# Altium PCB EDA-03518-V3-0_pcb.pcbdoc (part 6 of 14) (continued)
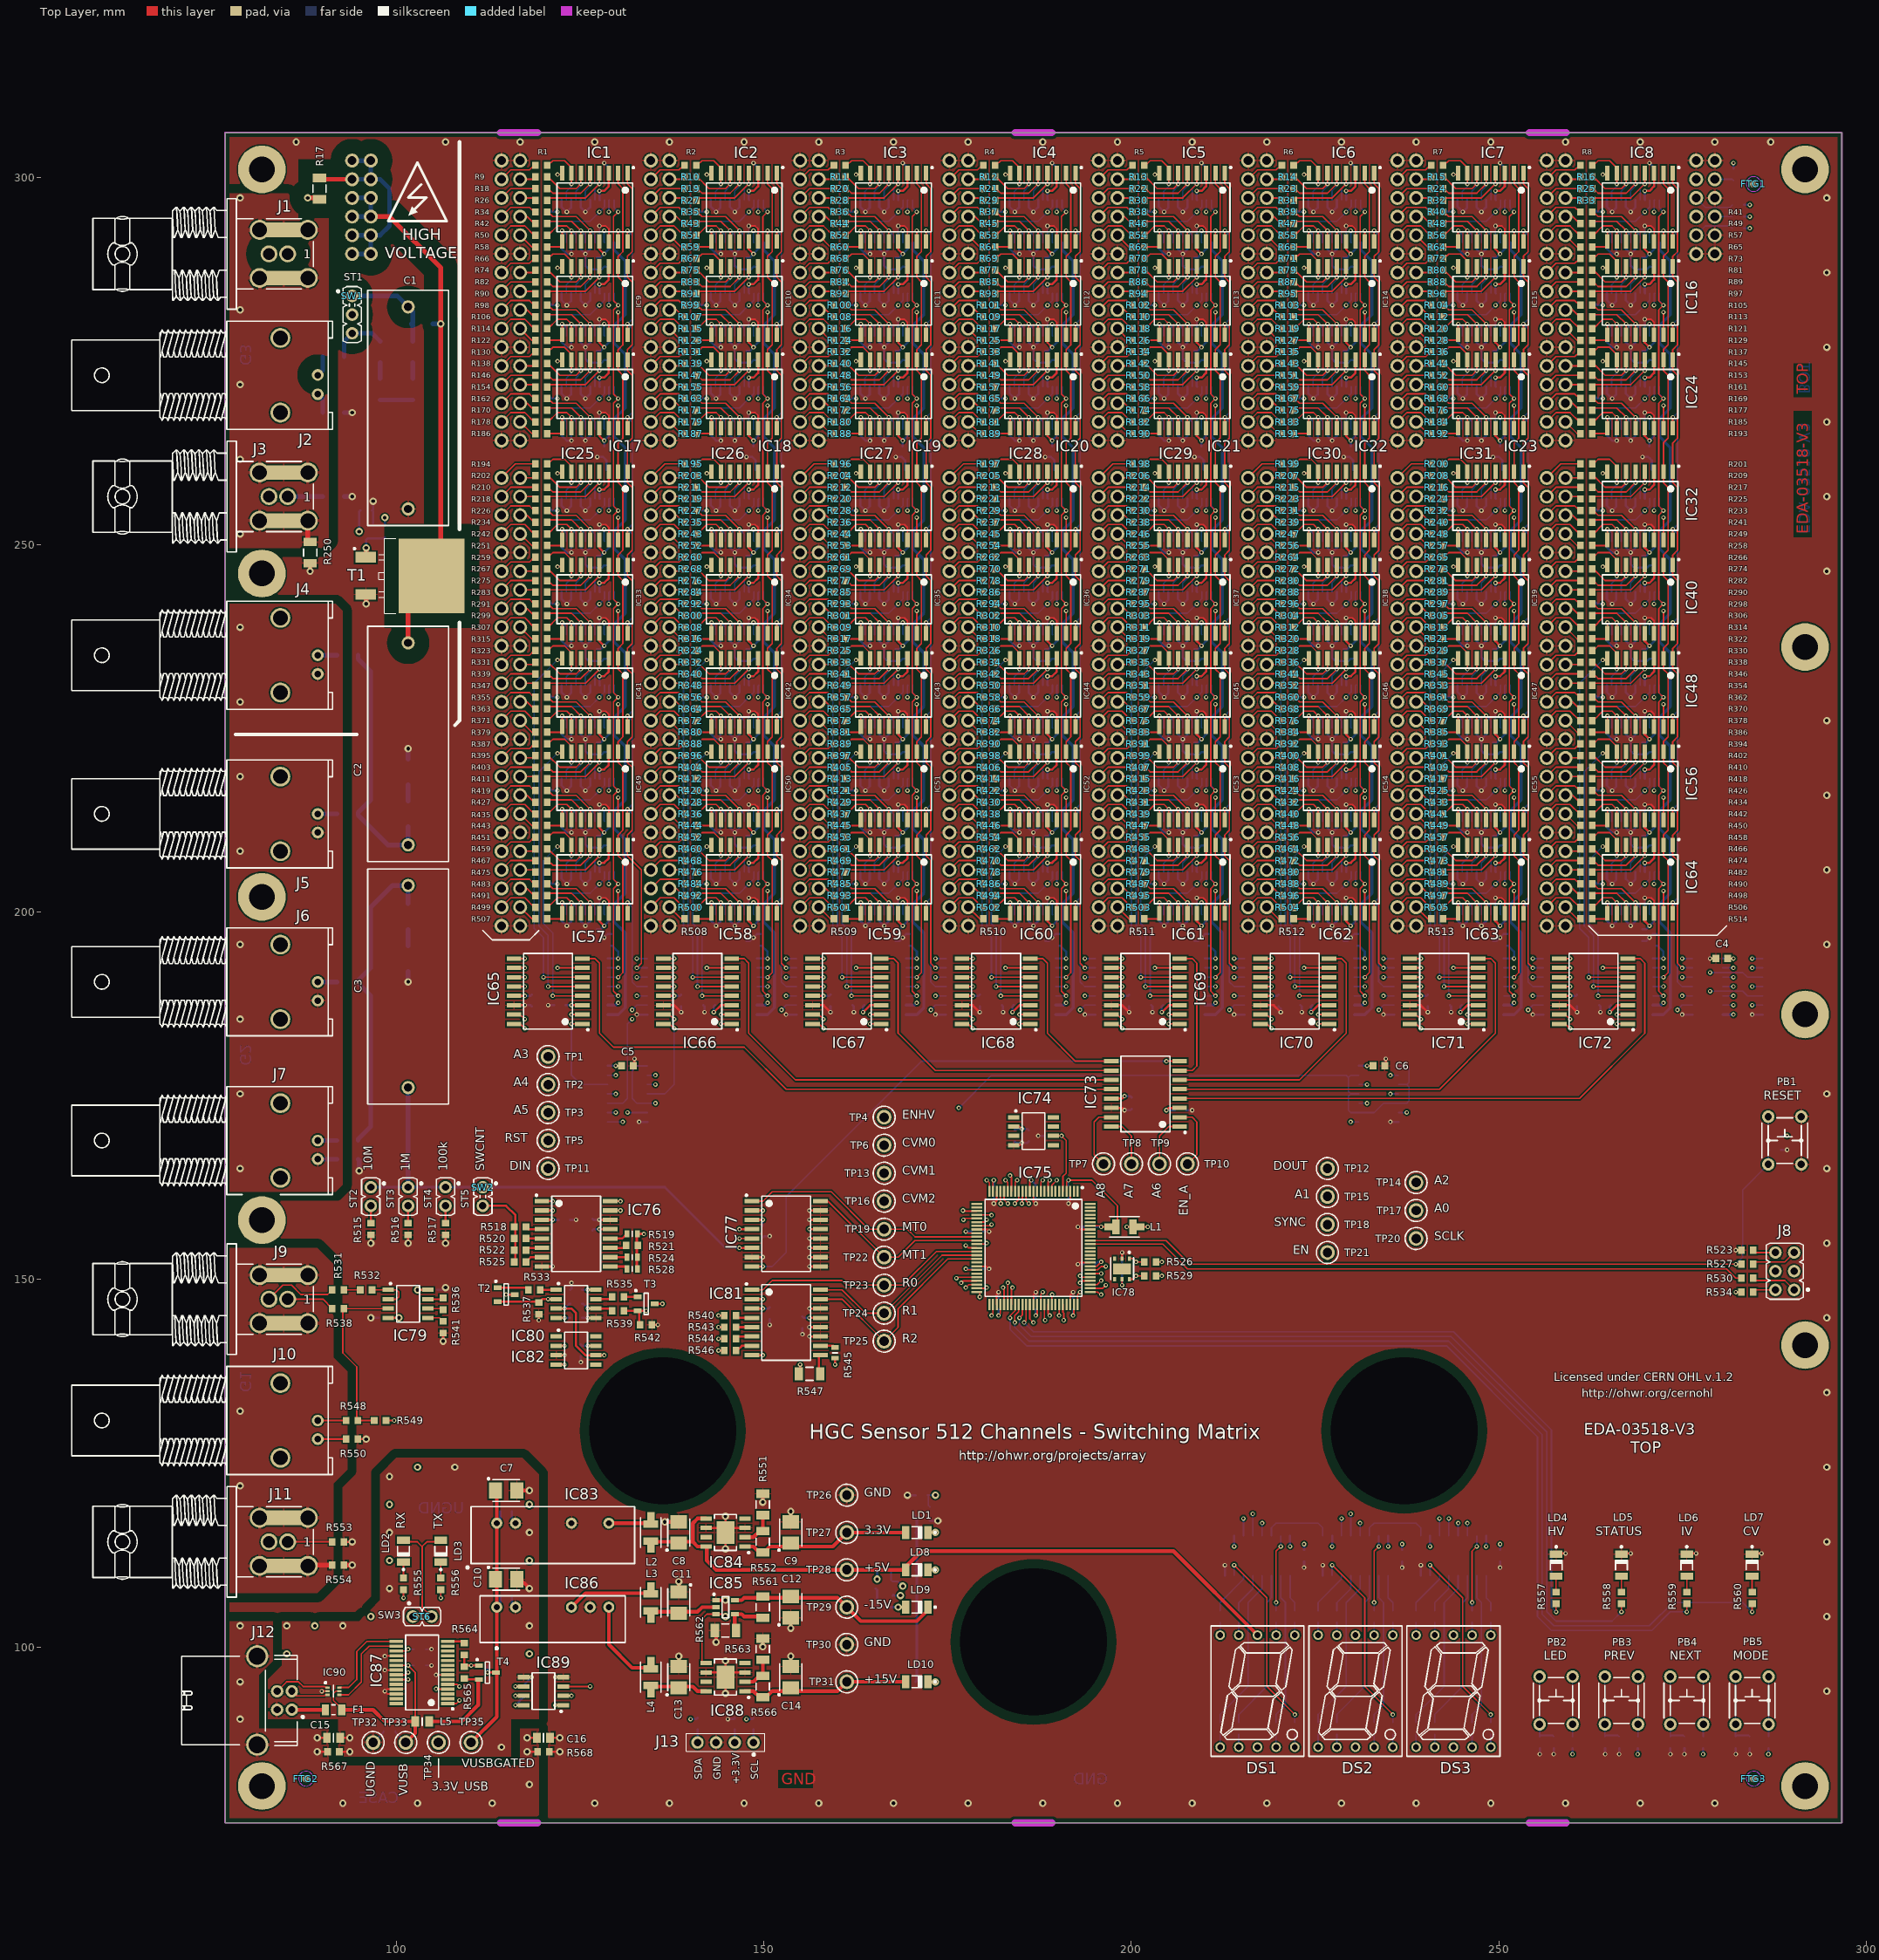
[diagram p0: Top Layer view]
## Nets (pads, with @x,y where several pads share a name; then routed paths per layer and width w, separated by ;. In a path a pad name is that pad's centre, name@x,y a point inside that pad or via, vN(x,y) a via of type N, cw(c..) or ccw(c..) an arc to the next point about the centre after c; other vN are vias at no path point) (continued)
C57_4: J19.10 R133.1 | length 5.4
  Top Layer w0.203: J19.10@175.26,274.32 176.53,275.59 179.07,275.59 179.705,276.225 R133.1@179.857,276.225
C57_5: J18.10 R134.1 | length 5.4
  Top Layer w0.203: J18.10@195.58,274.32 196.85,275.59 199.39,275.59 200.025,276.225 R134.1@200.177,276.225
C57_6: J17.10 R135.1 | length 5.4
  Top Layer w0.203: J17.10@215.9,274.32 217.17,275.59 219.71,275.59 220.345,276.225 R135.1@220.497,276.225
C57_7: J16.10 R136.1 | length 5.4
  Top Layer w0.203: J16.10@236.22,274.32 237.49,275.59 240.03,275.59 240.665,276.225 R136.1@240.817,276.225
C57_8: J15.10 R137.1 | length 5.4
  Top Layer w0.203: J15.10@256.54,274.32 257.81,275.59 260.35,275.59 260.985,276.225 R137.1@261.137,276.225
C60_1: J22.13 R122.1 | length 2.7
  Top Layer w0.203: J22.13@116.84,279.4 118.428,277.812 R122.1@118.897,277.812
C60_2: J21.13 R123.1 | length 2.7
  Top Layer w0.203: J21.13@137.16,279.4 138.748,277.812 R123.1@139.217,277.812
C60_3: J20.13 R124.1 | length 2.7
  Top Layer w0.203: J20.13@157.48,279.4 159.068,277.812 R124.1@159.537,277.812
C60_4: J19.13 R125.1 | length 2.7
  Top Layer w0.203: J19.13@177.8,279.4 179.388,277.812 R125.1@179.857,277.812
C60_5: J18.13 R126.1 | length 2.7
  Top Layer w0.203: J18.13@198.12,279.4 199.708,277.812 R126.1@200.177,277.812
C60_6: J17.13 R127.1 | length 2.7
  Top Layer w0.203: J17.13@218.44,279.4 220.028,277.812 R127.1@220.497,277.812
C60_7: J16.13 R128.1 | length 2.7
  Top Layer w0.203: J16.13@238.76,279.4 240.348,277.812 R128.1@240.817,277.812
C60_8: J15.13 R129.1 | length 2.7
  Top Layer w0.203: J15.13@259.08,279.4 260.668,277.812 R129.1@261.137,277.812
C61_1: J22.14 R114.1 | length 5.6
  Top Layer w0.203: J22.14@114.3,279.4 115.57,280.67 117.475,280.67 118.745,279.4 R114.1@118.897,279.4
C61_2: J21.14 R115.1 | length 5.6
  Top Layer w0.203: J21.14@134.62,279.4 135.89,280.67 137.795,280.67 139.065,279.4 R115.1@139.217,279.4
C61_3: J20.14 R116.1 | length 5.6
  Top Layer w0.203: J20.14@154.94,279.4 156.21,280.67 158.115,280.67 159.385,279.4 R116.1@159.537,279.4
C61_4: J19.14 R117.1 | length 5.6
  Top Layer w0.203: J19.14@175.26,279.4 176.53,280.67 178.435,280.67 179.705,279.4 R117.1@179.857,279.4
C61_5: J18.14 R118.1 | length 5.6
  Top Layer w0.203: J18.14@195.58,279.4 196.85,280.67 198.755,280.67 200.025,279.4 R118.1@200.177,279.4
C61_6: J17.14 R119.1 | length 5.6
  Top Layer w0.203: J17.14@215.9,279.4 217.17,280.67 219.075,280.67 220.345,279.4 R119.1@220.497,279.4
C61_7: J16.14 R120.1 | length 5.6
  Top Layer w0.203: J16.14@236.22,279.4 237.49,280.67 239.395,280.67 240.665,279.4 R120.1@240.817,279.4
C61_8: J15.14 R121.1 | length 5.6
  Top Layer w0.203: J15.14@256.54,279.4 257.81,280.67 259.715,280.67 260.985,279.4 R121.1@261.137,279.4
C62_1: J22.15 R106.1 | length 2.5
  Top Layer w0.203: J22.15@116.84,281.94 117.792,281.94 118.745,280.988 R106.1@118.897,280.988
C62_2: J21.15 R107.1 | length 2.5
  Top Layer w0.203: J21.15@137.16,281.94 138.112,281.94 139.065,280.988 R107.1@139.217,280.988
C62_3: J20.15 R108.1 | length 2.5
  Top Layer w0.203: J20.15@157.48,281.94 158.432,281.94 159.385,280.988 R108.1@159.537,280.988
C62_4: J19.15 R109.1 | length 2.5
  Top Layer w0.203: J19.15@177.8,281.94 178.752,281.94 179.705,280.988 R109.1@179.857,280.988
C62_5: J18.15 R110.1 | length 2.5
  Top Layer w0.203: J18.15@198.12,281.94 199.072,281.94 200.025,280.988 R110.1@200.177,280.988
C62_6: J17.15 R111.1 | length 2.5
  Top Layer w0.203: J17.15@218.44,281.94 219.392,281.94 220.345,280.988 R111.1@220.497,280.988
C62_7: J16.15 R112.1 | length 2.5
  Top Layer w0.203: J16.15@238.76,281.94 239.712,281.94 240.665,280.988 R112.1@240.817,280.988
C62_8: J15.15 R113.1 | length 2.5
  Top Layer w0.203: J15.15@259.08,281.94 260.032,281.94 260.985,280.988 R113.1@261.137,280.988
C63_1: J22.16 R98.1 | length 5.4
  Top Layer w0.203: J22.16@114.3,281.94 115.57,283.21 118.11,283.21 118.745,282.575 R98.1@118.897,282.575
C63_2: J21.16 R99.1 | length 5.4
  Top Layer w0.203: J21.16@134.62,281.94 135.89,283.21 138.43,283.21 139.065,282.575 R99.1@139.217,282.575
C63_3: J20.16 R100.1 | length 5.4
  Top Layer w0.203: J20.16@154.94,281.94 156.21,283.21 158.75,283.21 159.385,282.575 R100.1@159.537,282.575
C63_4: J19.16 R101.1 | length 5.4
  Top Layer w0.203: J19.16@175.26,281.94 176.53,283.21 179.07,283.21 179.705,282.575 R101.1@179.857,282.575
C63_5: J18.16 R102.1 | length 5.4
  Top Layer w0.203: J18.16@195.58,281.94 196.85,283.21 199.39,283.21 200.025,282.575 R102.1@200.177,282.575
C63_6: J17.16 R103.1 | length 5.4
  Top Layer w0.203: J17.16@215.9,281.94 217.17,283.21 219.71,283.21 220.345,282.575 R103.1@220.497,282.575
C63_7: J16.16 R104.1 | length 5.4
  Top Layer w0.203: J16.16@236.22,281.94 237.49,283.21 240.03,283.21 240.665,282.575 R104.1@240.817,282.575
C63_8: J15.16 R105.1 | length 5.4
  Top Layer w0.203: J15.16@256.54,281.94 257.81,283.21 260.35,283.21 260.985,282.575 R105.1@261.137,282.575
C64_1: J22.17 R90.1 | length 2.2
  Top Layer w0.203: J22.17@116.84,284.48 118.58,284.48 R90.1@118.897,284.162
C64_2: J21.17 R91.1 | length 2.2
  Top Layer w0.203: J21.17@137.16,284.48 138.9,284.48 R91.1@139.217,284.162
C64_3: J20.17 R92.1 | length 2.2
  Top Layer w0.203: J20.17@157.48,284.48 159.22,284.48 R92.1@159.537,284.162
C64_4: J19.17 R93.1 | length 2.2
  Top Layer w0.203: J19.17@177.8,284.48 179.54,284.48 R93.1@179.857,284.162
C64_5: J18.17 R94.1 | length 2.2
  Top Layer w0.203: J18.17@198.12,284.48 199.86,284.48 R94.1@200.177,284.162
C64_6: J17.17 R95.1 | length 2.2
  Top Layer w0.203: J17.17@218.44,284.48 220.18,284.48 R95.1@220.497,284.162
C64_7: J16.17 R96.1 | length 2.2
  Top Layer w0.203: J16.17@238.76,284.48 240.5,284.48 R96.1@240.817,284.162
C64_8: J15.17 R97.1 | length 2.2
  Top Layer w0.203: J15.17@259.08,284.48 260.82,284.48 R97.1@261.137,284.162
C65_1: J22.18 R82.1 | length 5.1
  Top Layer w0.203: J22.18@114.3,284.48 115.57,285.75 R82.1@118.897,285.75
C65_2: J21.18 R83.1 | length 5.1
  Top Layer w0.203: J21.18@134.62,284.48 135.89,285.75 R83.1@139.217,285.75
C65_3: J20.18 R84.1 | length 5.1
  Top Layer w0.203: J20.18@154.94,284.48 156.21,285.75 R84.1@159.537,285.75
C65_4: J19.18 R85.1 | length 5.1
  Top Layer w0.203: J19.18@175.26,284.48 176.53,285.75 R85.1@179.857,285.75
C65_5: J18.18 R86.1 | length 5.1
  Top Layer w0.203: J18.18@195.58,284.48 196.85,285.75 R86.1@200.177,285.75
C65_6: J17.18 R87.1 | length 5.1
  Top Layer w0.203: J17.18@215.9,284.48 217.17,285.75 R87.1@220.497,285.75
C65_7: J16.18 R88.1 | length 5.1
  Top Layer w0.203: J16.18@236.22,284.48 237.49,285.75 R88.1@240.817,285.75
C65_8: J15.18 R89.1 | length 5.1
  Top Layer w0.203: J15.18@256.54,284.48 257.81,285.75 R89.1@261.137,285.75
C66_1: J22.19 R74.1 | length 2.2
  Top Layer w0.203: J22.19@116.84,287.02 118.58,287.02 R74.1@118.897,287.337
C66_2: J21.19 R75.1 | length 2.2
  Top Layer w0.203: J21.19@137.16,287.02 138.9,287.02 R75.1@139.217,287.337
C66_3: J20.19 R76.1 | length 2.2
  Top Layer w0.203: J20.19@157.48,287.02 159.22,287.02 R76.1@159.537,287.337
C66_4: J19.19 R77.1 | length 2.2
  Top Layer w0.203: J19.19@177.8,287.02 179.54,287.02 R77.1@179.857,287.337
C66_5: J18.19 R78.1 | length 2.2
  Top Layer w0.203: J18.19@198.12,287.02 199.86,287.02 R78.1@200.177,287.337
C66_6: J17.19 R79.1 | length 2.2
  Top Layer w0.203: J17.19@218.44,287.02 220.18,287.02 R79.1@220.497,287.337
C66_7: J16.19 R80.1 | length 2.2
  Top Layer w0.203: J16.19@238.76,287.02 240.5,287.02 R80.1@240.817,287.337
C66_8: J15.19 R81.1 | length 2.2
  Top Layer w0.203: J15.19@259.08,287.02 260.82,287.02 R81.1@261.137,287.337
C67_1: J22.20 R66.1 | length 5.4
  Top Layer w0.203: J22.20@114.3,287.02 115.57,288.29 118.11,288.29 118.745,288.925 R66.1@118.897,288.925
C67_2: J21.20 R67.1 | length 5.4
  Top Layer w0.203: J21.20@134.62,287.02 135.89,288.29 138.43,288.29 139.065,288.925 R67.1@139.217,288.925
C67_3: J20.20 R68.1 | length 5.4
  Top Layer w0.203: J20.20@154.94,287.02 156.21,288.29 158.75,288.29 159.385,288.925 R68.1@159.537,288.925
C67_4: J19.20 R69.1 | length 5.4
  Top Layer w0.203: J19.20@175.26,287.02 176.53,288.29 179.07,288.29 179.705,288.925 R69.1@179.857,288.925
C67_5: J18.20 R70.1 | length 5.4
  Top Layer w0.203: J18.20@195.58,287.02 196.85,288.29 199.39,288.29 200.025,288.925 R70.1@200.177,288.925
C67_6: J17.20 R71.1 | length 5.4
  Top Layer w0.203: J17.20@215.9,287.02 217.17,288.29 219.71,288.29 220.345,288.925 R71.1@220.497,288.925
C67_7: J16.20 R72.1 | length 5.4
  Top Layer w0.203: J16.20@236.22,287.02 237.49,288.29 240.03,288.29 240.665,288.925 R72.1@240.817,288.925
C67_8: J15.20 R73.1 | length 5.4
  Top Layer w0.203: J15.20@256.54,287.02 257.81,288.29 260.35,288.29 260.985,288.925 R73.1@261.137,288.925
C70_1: J22.23 R58.1 | length 2.7
  Top Layer w0.203: J22.23@116.84,292.1 118.428,290.512 R58.1@118.897,290.512
C70_2: J21.23 R59.1 | length 2.7
  Top Layer w0.203: J21.23@137.16,292.1 138.748,290.512 R59.1@139.217,290.512
C70_3: J20.23 R60.1 | length 2.7
  Top Layer w0.203: J20.23@157.48,292.1 159.068,290.512 R60.1@159.537,290.512
C70_4: J19.23 R61.1 | length 2.7
  Top Layer w0.203: J19.23@177.8,292.1 179.388,290.512 R61.1@179.857,290.512
C70_5: J18.23 R62.1 | length 2.7
  Top Layer w0.203: J18.23@198.12,292.1 199.708,290.512 R62.1@200.177,290.512
C70_6: J17.23 R63.1 | length 2.7
  Top Layer w0.203: J17.23@218.44,292.1 220.028,290.512 R63.1@220.497,290.512
C70_7: J16.23 R64.1 | length 2.7
  Top Layer w0.203: J16.23@238.76,292.1 240.348,290.512 R64.1@240.817,290.512
C70_8: J15.23 R65.1 | length 2.7
  Top Layer w0.203: J15.23@259.08,292.1 260.668,290.512 R65.1@261.137,290.512
C71_1: J22.24 R50.1 | length 5.6
  Top Layer w0.203: J22.24@114.3,292.1 115.57,293.37 117.475,293.37 118.745,292.1 R50.1@118.897,292.1
C71_2: J21.24 R51.1 | length 5.6
  Top Layer w0.203: J21.24@134.62,292.1 135.89,293.37 137.795,293.37 139.065,292.1 R51.1@139.217,292.1
C71_3: J20.24 R52.1 | length 5.6
  Top Layer w0.203: J20.24@154.94,292.1 156.21,293.37 158.115,293.37 159.385,292.1 R52.1@159.537,292.1
C71_4: J19.24 R53.1 | length 5.6
  Top Layer w0.203: J19.24@175.26,292.1 176.53,293.37 178.435,293.37 179.705,292.1 R53.1@179.857,292.1
C71_5: J18.24 R54.1 | length 5.6
  Top Layer w0.203: J18.24@195.58,292.1 196.85,293.37 198.755,293.37 200.025,292.1 R54.1@200.177,292.1
C71_6: J17.24 R55.1 | length 5.6
  Top Layer w0.203: J17.24@215.9,292.1 217.17,293.37 219.075,293.37 220.345,292.1 R55.1@220.497,292.1
C71_7: J16.24 R56.1 | length 5.6
  Top Layer w0.203: J16.24@236.22,292.1 237.49,293.37 239.395,293.37 240.665,292.1 R56.1@240.817,292.1
C71_8: J15.24 R57.1 | length 5.6
  Top Layer w0.203: J15.24@256.54,292.1 257.81,293.37 259.715,293.37 260.985,292.1 R57.1@261.137,292.1
C72_1: J22.25 R42.1 | length 2.5
  Top Layer w0.203: J22.25@116.84,294.64 117.792,294.64 118.745,293.688 R42.1@118.897,293.688
C72_2: J21.25 R43.1 | length 2.5
  Top Layer w0.203: J21.25@137.16,294.64 138.112,294.64 139.065,293.688 R43.1@139.217,293.688
C72_3: J20.25 R44.1 | length 2.5
  Top Layer w0.203: J20.25@157.48,294.64 158.432,294.64 159.385,293.688 R44.1@159.537,293.688
C72_4: J19.25 R45.1 | length 2.5
  Top Layer w0.203: J19.25@177.8,294.64 178.752,294.64 179.705,293.688 R45.1@179.857,293.688
C72_5: J18.25 R46.1 | length 2.5
  Top Layer w0.203: J18.25@198.12,294.64 199.072,294.64 200.025,293.688 R46.1@200.177,293.688
C72_6: J17.25 R47.1 | length 2.5
  Top Layer w0.203: J17.25@218.44,294.64 219.392,294.64 220.345,293.688 R47.1@220.497,293.688
C72_7: J16.25 R48.1 | length 2.5
  Top Layer w0.203: J16.25@238.76,294.64 239.712,294.64 240.665,293.688 R48.1@240.817,293.688
C72_8: J15.25 R49.1 | length 2.5
  Top Layer w0.203: J15.25@259.08,294.64 260.032,294.64 260.985,293.688 R49.1@261.137,293.688
C73_1: J22.26 R34.1 | length 5.4
  Top Layer w0.203: J22.26@114.3,294.64 115.57,295.91 118.11,295.91 118.745,295.275 R34.1@118.897,295.275
C73_2: J21.26 R35.1 | length 5.4
  Top Layer w0.203: J21.26@134.62,294.64 135.89,295.91 138.43,295.91 139.065,295.275 R35.1@139.217,295.275
C73_3: J20.26 R36.1 | length 5.4
  Top Layer w0.203: J20.26@154.94,294.64 156.21,295.91 158.75,295.91 159.385,295.275 R36.1@159.537,295.275
C73_4: J19.26 R37.1 | length 5.4
  Top Layer w0.203: J19.26@175.26,294.64 176.53,295.91 179.07,295.91 179.705,295.275 R37.1@179.857,295.275
C73_5: J18.26 R38.1 | length 5.4
  Top Layer w0.203: J18.26@195.58,294.64 196.85,295.91 199.39,295.91 200.025,295.275 R38.1@200.177,295.275
C73_6: J17.26 R39.1 | length 5.4
  Top Layer w0.203: J17.26@215.9,294.64 217.17,295.91 219.71,295.91 220.345,295.275 R39.1@220.497,295.275
C73_7: J16.26 R40.1 | length 5.4
  Top Layer w0.203: J16.26@236.22,294.64 237.49,295.91 240.03,295.91 240.665,295.275 R40.1@240.817,295.275
C73_8: J15.26 R41.1 | length 5.4
  Top Layer w0.203: J15.26@256.54,294.64 257.81,295.91 260.35,295.91 260.985,295.275 R41.1@261.137,295.275
C74_1: J22.27 R26.1 | length 2.2
  Top Layer w0.203: J22.27@116.84,297.18 118.58,297.18 R26.1@118.897,296.863
C74_2: J21.27 R27.1 | length 2.2
  Top Layer w0.203: J21.27@137.16,297.18 138.9,297.18 R27.1@139.217,296.863
C74_3: J20.27 R28.1 | length 2.2
  Top Layer w0.203: J20.27@157.48,297.18 159.22,297.18 R28.1@159.537,296.863
C74_4: J19.27 R29.1 | length 2.2
  Top Layer w0.203: J19.27@177.8,297.18 179.54,297.18 R29.1@179.857,296.863
C74_5: J18.27 R30.1 | length 2.2
  Top Layer w0.203: J18.27@198.12,297.18 199.86,297.18 R30.1@200.177,296.863
C74_6: J17.27 R31.1 | length 2.2
  Top Layer w0.203: J17.27@218.44,297.18 220.18,297.18 R31.1@220.497,296.863
C74_7: J16.27 R32.1 | length 2.2
  Top Layer w0.203: J16.27@238.76,297.18 240.5,297.18 R32.1@240.817,296.863
C74_8: J15.27 R33.1 | length 2.2
  Top Layer w0.203: J15.27@259.08,297.18 260.82,297.18 R33.1@261.137,296.863
C75_1: J22.28 R18.1 | length 5.1
  Top Layer w0.203: J22.28@114.3,297.18 115.57,298.45 R18.1@118.897,298.45
C75_2: J21.28 R19.1 | length 5.1
  Top Layer w0.203: J21.28@134.62,297.18 135.89,298.45 R19.1@139.217,298.45
C75_3: J20.28 R20.1 | length 5.1
  Top Layer w0.203: J20.28@154.94,297.18 156.21,298.45 R20.1@159.537,298.45
C75_4: J19.28 R21.1 | length 5.1
  Top Layer w0.203: J19.28@175.26,297.18 176.53,298.45 R21.1@179.857,298.45
C75_5: J18.28 R22.1 | length 5.1
  Top Layer w0.203: J18.28@195.58,297.18 196.85,298.45 R22.1@200.177,298.45
C75_6: J17.28 R23.1 | length 5.1
  Top Layer w0.203: J17.28@215.9,297.18 217.17,298.45 R23.1@220.497,298.45
C75_7: J16.28 R24.1 | length 5.1
  Top Layer w0.203: J16.28@236.22,297.18 237.49,298.45 R24.1@240.817,298.45
C75_8: J15.28 R25.1 | length 5.1
  Top Layer w0.203: J15.28@256.54,297.18 257.81,298.45 R25.1@261.137,298.45
C76_1: J22.29 R9.1 | length 2.2
  Top Layer w0.203: J22.29@116.84,299.72 118.58,299.72 R9.1@118.897,300.037
C76_2: J21.29 R10.1 | length 2.2
  Top Layer w0.203: J21.29@137.16,299.72 138.9,299.72 R10.1@139.217,300.037
C76_3: J20.29 R11.1 | length 2.2
  Top Layer w0.203: J20.29@157.48,299.72 159.22,299.72 R11.1@159.537,300.037
C76_4: J19.29 R12.1 | length 2.2
  Top Layer w0.203: J19.29@177.8,299.72 179.54,299.72 R12.1@179.857,300.037
C76_5: J18.29 R13.1 | length 2.2
  Top Layer w0.203: J18.29@198.12,299.72 199.86,299.72 R13.1@200.177,300.037
C76_6: J17.29 R14.1 | length 2.2
  Top Layer w0.203: J17.29@218.44,299.72 220.18,299.72 R14.1@220.497,300.037
C76_7: J16.29 R15.1 | length 2.2
  Top Layer w0.203: J16.29@238.76,299.72 240.5,299.72 R15.1@240.817,300.037
C76_8: J15.29 R16.1 | length 2.2
  Top Layer w0.203: J15.29@259.08,299.72 260.82,299.72 R16.1@261.137,300.037
C77_1: J22.30 R1.1 | length 5.4
  Top Layer w0.203: J22.30@114.3,299.72 115.57,300.99 118.11,300.99 118.745,301.625 R1.1@118.897,301.625
C77_2: J21.30 R2.1 | length 5.4
  Top Layer w0.203: J21.30@134.62,299.72 135.89,300.99 138.43,300.99 139.065,301.625 R2.1@139.217,301.625
C77_3: J20.30 R3.1 | length 5.4
  Top Layer w0.203: J20.30@154.94,299.72 156.21,300.99 158.75,300.99 159.385,301.625 R3.1@159.537,301.625
C77_4: J19.30 R4.1 | length 5.4
  Top Layer w0.203: J19.30@175.26,299.72 176.53,300.99 179.07,300.99 179.705,301.625 R4.1@179.857,301.625
C77_5: J18.30 R5.1 | length 5.4
  Top Layer w0.203: J18.30@195.58,299.72 196.85,300.99 199.39,300.99 200.025,301.625 R5.1@200.177,301.625
C77_6: J17.30 R6.1 | length 5.4
  Top Layer w0.203: J17.30@215.9,299.72 217.17,300.99 219.71,300.99 220.345,301.625 R6.1@220.497,301.625
C77_7: J16.30 R7.1 | length 5.4
  Top Layer w0.203: J16.30@236.22,299.72 237.49,300.99 240.03,300.99 240.665,301.625 R7.1@240.817,301.625
C77_8: J15.30 R8.1 | length 5.4
  Top Layer w0.203: J15.30@256.54,299.72 257.81,300.99 260.35,300.99 260.985,301.625 R8.1@261.137,301.625
CASE: C15.2 C16.2 J12.5 R567.2 R568.2 | length 5.5
  Top Layer w0.305: v2(89.218,85.725) R567.2@90.64,85.725 ; v2(89.218,87.63) C15.2@90.54,87.63 ; v2(117.792,85.725) R568.2@119.215,85.725 ; v2(117.792,87.63) C16.2@119.115,87.63
  other v2: 92.71,78.74 102.87,78.74 113.03,78.74 118.11,81.28 78.74,90.17 78.74,95.25 78.74,102.87
CVM0: IC75.55 IC76.15 TP16.1 | length 62.5
  Top Layer w0.203: IC76.15@129.11,159.385 v1(130.493,159.385) ; v1(182.562,148.907) 182.69,148.78 IC75.55@182.69,146.605
  L3 w0.203: v1(130.493,159.385) 131.127,159.385 132.08,160.338 166.052,160.338 TP16.1@166.37,160.655 174.625,152.4 181.292,152.4 182.562,151.13 v1(182.562,148.907)
CVM1: IC75.56 IC76.16 TP13.1 | length 67.6
  Top Layer w0.203: IC76.16@129.11,160.655 v1(130.493,160.655) ; IC75.56@183.19,146.605 183.19,149.535 v1(183.197,149.542)
  L3 w0.203: v1(130.493,160.655) 131.127,161.29 163.195,161.29 TP13.1@166.37,164.465 168.275,162.56 168.275,159.702 174.942,153.035 181.61,153.035 183.197,151.447 v1(183.197,149.542)
CVM2: IC75.57 IC76.1 TP6.1 | length 82.6
  Top Layer w0.203: IC76.1@119.81,160.655 v1(121.285,160.655) ; IC75.57@183.69,146.605 183.69,148.765 v1(183.832,148.907)
  L3 w0.203: v1(121.285,160.655) 122.872,162.243 160.338,162.243 TP6.1@166.37,168.275 168.91,165.735 168.91,160.02 175.26,153.67 181.927,153.67 183.832,151.765 v1(183.832,148.907)
ENB: IC155.12 IC156.13 IC157.13 IC158.13 IC159.13 IC160.13 IC161.13 IC162.13 IC163.13 | length 169.4
  L3 w0.203: v1(130.175,192.405) 130.81,193.04 149.86,193.04 v1(150.495,192.405) 151.13,193.04 170.18,193.04 v1(170.815,192.405) 171.45,193.04 190.5,193.04 v1(191.135,192.405) 191.77,193.04 210.82,193.04 v1(211.455,192.405) 212.09,193.04 231.14,193.04 v1(231.775,192.405) 232.41,193.04 251.46,193.04 v1(252.095,192.405) 252.73,193.04 271.78,193.04 v1(272.415,192.405) 273.05,193.04 280.035,193.04 v1(281.94,191.135)
  Bottom Layer w0.203: IC163.13@128.745,192.405 v1(130.175,192.405) ; IC162.13@149.065,192.405 v1(150.495,192.405) ; IC161.13@169.385,192.405 v1(170.815,192.405) ; IC160.13@189.705,192.405 v1(191.135,192.405) ; IC159.13@210.025,192.405 v1(211.455,192.405) ; IC158.13@230.345,192.405 v1(231.775,192.405) ; IC157.13@250.665,192.405 v1(252.095,192.405) ; IC156.13@270.985,192.405 v1(272.415,192.405) ; IC155.12@280.51,191.135 v1(281.94,191.135)
ENB_1: IC1.2 IC9.2 IC17.2 IC25.2 IC33.2 IC41.2 IC49.2 IC57.2 IC65.2 IC163.12 | length 125
  Top Layer w0.203: v1(123.825,186.055) IC65.2@125.3,186.055 ; v1(130.175,191.135) 130.81,191.77 130.81,207.01 130.175,207.645 IC57.2@130.175,209.12 130.175,210.502 130.81,211.137 130.81,219.71 130.175,220.345 IC49.2@130.175,221.82 130.175,223.202 130.81,223.837 130.81,232.41 130.175,233.045 IC41.2@130.175,234.52 130.175,235.903 130.81,236.537 130.81,245.11 130.175,245.745 IC33.2@130.175,247.22 130.175,248.602 130.81,249.237 130.81,257.81 130.175,258.445 IC25.2@130.175,259.92 130.175,263.842 130.81,264.477 130.81,273.05 130.175,273.685 IC17.2@130.175,275.16 130.175,276.542 130.81,277.178 130.81,285.75 130.175,286.385 IC9.2@130.175,287.86 130.175,289.243 130.81,289.877 130.81,298.45 130.175,299.085 IC1.2@130.175,300.56
  L6 w0.203: v1(123.825,186.055) 128.905,191.135 v1(130.175,191.135)
  Bottom Layer w0.203: IC163.12@128.745,191.135 v1(130.175,191.135)
ENB_2: IC2.2 IC10.2 IC18.2 IC26.2 IC34.2 IC42.2 IC50.2 IC58.2 IC66.2 IC162.12 | length 125
  Top Layer w0.203: v1(144.145,186.055) IC66.2@145.62,186.055 ; v1(150.495,191.135) 151.13,191.77 151.13,207.01 150.495,207.645 IC58.2@150.495,209.12 150.495,210.502 151.13,211.137 151.13,219.71 150.495,220.345 IC50.2@150.495,221.82 150.495,223.202 151.13,223.837 151.13,232.41 150.495,233.045 IC42.2@150.495,234.52 150.495,235.903 151.13,236.537 151.13,245.11 150.495,245.745 IC34.2@150.495,247.22 150.495,248.602 151.13,249.237 151.13,257.81 150.495,258.445 IC26.2@150.495,259.92 150.495,263.842 151.13,264.477 151.13,273.05 150.495,273.685 IC18.2@150.495,275.16 150.495,276.542 151.13,277.178 151.13,285.75 150.495,286.385 IC10.2@150.495,287.86 150.495,289.243 151.13,289.877 151.13,298.45 150.495,299.085 IC2.2@150.495,300.56
  L6 w0.203: v1(144.145,186.055) 149.225,191.135 v1(150.495,191.135)
  Bottom Layer w0.203: IC162.12@149.065,191.135 v1(150.495,191.135)
ENB_3: IC3.2 IC11.2 IC19.2 IC27.2 IC35.2 IC43.2 IC51.2 IC59.2 IC67.2 IC161.12 | length 125
  Top Layer w0.203: v1(164.465,186.055) IC67.2@165.94,186.055 ; v1(170.815,191.135) 171.45,191.77 171.45,207.01 170.815,207.645 IC59.2@170.815,209.12 170.815,210.502 171.45,211.137 171.45,219.71 170.815,220.345 IC51.2@170.815,221.82 170.815,223.202 171.45,223.837 171.45,232.41 170.815,233.045 IC43.2@170.815,234.52 170.815,235.903 171.45,236.537 171.45,245.11 170.815,245.745 IC35.2@170.815,247.22 170.815,248.602 171.45,249.237 171.45,257.81 170.815,258.445 IC27.2@170.815,259.92 170.815,263.842 171.45,264.477 171.45,273.05 170.815,273.685 IC19.2@170.815,275.16 170.815,276.542 171.45,277.178 171.45,285.75 170.815,286.385 IC11.2@170.815,287.86 170.815,289.243 171.45,289.877 171.45,298.45 170.815,299.085 IC3.2@170.815,300.56
  L6 w0.203: v1(164.465,186.055) 169.545,191.135 v1(170.815,191.135)
  Bottom Layer w0.203: IC161.12@169.385,191.135 v1(170.815,191.135)
ENB_4: IC4.2 IC12.2 IC20.2 IC28.2 IC36.2 IC44.2 IC52.2 IC60.2 IC68.2 IC160.12 | length 125
  Top Layer w0.203: v1(184.785,186.055) IC68.2@186.26,186.055 ; v1(191.135,191.135) 191.77,191.77 191.77,207.01 191.135,207.645 IC60.2@191.135,209.12 191.135,210.502 191.77,211.137 191.77,219.71 191.135,220.345 IC52.2@191.135,221.82 191.135,223.202 191.77,223.837 191.77,232.41 191.135,233.045 IC44.2@191.135,234.52 191.135,235.903 191.77,236.537 191.77,245.11 191.135,245.745 IC36.2@191.135,247.22 191.135,248.602 191.77,249.237 191.77,257.81 191.135,258.445 IC28.2@191.135,259.92 191.135,263.842 191.77,264.477 191.77,273.05 191.135,273.685 IC20.2@191.135,275.16 191.135,276.542 191.77,277.178 191.77,285.75 191.135,286.385 IC12.2@191.135,287.86 191.135,289.243 191.77,289.877 191.77,298.45 191.135,299.085 IC4.2@191.135,300.56
  L6 w0.203: v1(184.785,186.055) 189.865,191.135 v1(191.135,191.135)
  Bottom Layer w0.203: IC160.12@189.705,191.135 v1(191.135,191.135)
ENB_5: IC5.2 IC13.2 IC21.2 IC29.2 IC37.2 IC45.2 IC53.2 IC61.2 IC69.2 IC159.12 | length 125
  Top Layer w0.203: v1(205.105,186.055) IC69.2@206.58,186.055 ; v1(211.455,191.135) 212.09,191.77 212.09,207.01 211.455,207.645 IC61.2@211.455,209.12 211.455,210.502 212.09,211.137 212.09,219.71 211.455,220.345 IC53.2@211.455,221.82 211.455,223.202 212.09,223.837 212.09,232.41 211.455,233.045 IC45.2@211.455,234.52 211.455,235.903 212.09,236.537 212.09,245.11 211.455,245.745 IC37.2@211.455,247.22 211.455,248.602 212.09,249.237 212.09,257.81 211.455,258.445 IC29.2@211.455,259.92 211.455,263.842 212.09,264.477 212.09,273.05 211.455,273.685 IC21.2@211.455,275.16 211.455,276.542 212.09,277.178 212.09,285.75 211.455,286.385 IC13.2@211.455,287.86 211.455,289.243 212.09,289.877 212.09,298.45 211.455,299.085 IC5.2@211.455,300.56
  L6 w0.203: v1(205.105,186.055) 210.185,191.135 v1(211.455,191.135)
  Bottom Layer w0.203: IC159.12@210.025,191.135 v1(211.455,191.135)
ENB_6: IC6.2 IC14.2 IC22.2 IC30.2 IC38.2 IC46.2 IC54.2 IC62.2 IC70.2 IC158.12 | length 125
  Top Layer w0.203: v1(225.425,186.055) IC70.2@226.9,186.055 ; v1(231.775,191.135) 232.41,191.77 232.41,207.01 231.775,207.645 IC62.2@231.775,209.12 231.775,210.502 232.41,211.137 232.41,219.71 231.775,220.345 IC54.2@231.775,221.82 231.775,223.202 232.41,223.837 232.41,232.41 231.775,233.045 IC46.2@231.775,234.52 231.775,235.903 232.41,236.537 232.41,245.11 231.775,245.745 IC38.2@231.775,247.22 231.775,248.602 232.41,249.237 232.41,257.81 231.775,258.445 IC30.2@231.775,259.92 231.775,263.842 232.41,264.477 232.41,273.05 231.775,273.685 IC22.2@231.775,275.16 231.775,276.542 232.41,277.178 232.41,285.75 231.775,286.385 IC14.2@231.775,287.86 231.775,289.243 232.41,289.877 232.41,298.45 231.775,299.085 IC6.2@231.775,300.56
  L6 w0.203: v1(225.425,186.055) 230.505,191.135 v1(231.775,191.135)
  Bottom Layer w0.203: IC158.12@230.345,191.135 v1(231.775,191.135)
ENB_7: IC7.2 IC15.2 IC23.2 IC31.2 IC39.2 IC47.2 IC55.2 IC63.2 IC71.2 IC157.12 | length 125
  Top Layer w0.203: v1(245.745,186.055) IC71.2@247.22,186.055 ; v1(252.095,191.135) 252.73,191.77 252.73,207.01 252.095,207.645 IC63.2@252.095,209.12 252.095,210.502 252.73,211.137 252.73,219.71 252.095,220.345 IC55.2@252.095,221.82 252.095,223.202 252.73,223.837 252.73,232.41 252.095,233.045 IC47.2@252.095,234.52 252.095,235.903 252.73,236.537 252.73,245.11 252.095,245.745 IC39.2@252.095,247.22 252.095,248.602 252.73,249.237 252.73,257.81 252.095,258.445 IC31.2@252.095,259.92 252.095,263.842 252.73,264.477 252.73,273.05 252.095,273.685 IC23.2@252.095,275.16 252.095,276.542 252.73,277.178 252.73,285.75 252.095,286.385 IC15.2@252.095,287.86 252.095,289.243 252.73,289.877 252.73,298.45 252.095,299.085 IC7.2@252.095,300.56
  L6 w0.203: v1(245.745,186.055) 250.825,191.135 v1(252.095,191.135)
  Bottom Layer w0.203: IC157.12@250.665,191.135 v1(252.095,191.135)
ENB_8: IC8.2 IC16.2 IC24.2 IC32.2 IC40.2 IC48.2 IC56.2 IC64.2 IC72.2 IC156.12 | length 125
  Top Layer w0.203: v1(266.065,186.055) IC72.2@267.54,186.055 ; v1(272.415,191.135) 273.05,191.77 273.05,207.01 272.415,207.645 IC64.2@272.415,209.12 272.415,210.502 273.05,211.137 273.05,219.71 272.415,220.345 IC56.2@272.415,221.82 272.415,223.202 273.05,223.837 273.05,232.41 272.415,233.045 IC48.2@272.415,234.52 272.415,235.903 273.05,236.537 273.05,245.11 272.415,245.745 IC40.2@272.415,247.22 272.415,248.602 273.05,249.237 273.05,257.81 272.415,258.445 IC32.2@272.415,259.92 272.415,263.842 273.05,264.477 273.05,273.05 272.415,273.685 IC24.2@272.415,275.16 272.415,276.542 273.05,277.178 273.05,285.75 272.415,286.385 IC16.2@272.415,287.86 272.415,289.243 273.05,289.877 273.05,298.45 272.415,299.085 IC8.2@272.415,300.56
  L6 w0.203: v1(266.065,186.055) 271.145,191.135 v1(272.415,191.135)
  Bottom Layer w0.203: IC156.12@270.985,191.135 v1(272.415,191.135)
G1: J9.3 J11.3 R554.2 | length 3.4
  Top Layer w0.635: J11.3@87.947,111.025 88.047,111.125 R554.2@91.275,111.125
  other v2: 78.74,121.92 78.74,132.08
G2: J4.2 J5.2 J6.2 J7.2 R652.2 | length 2.6
  Bottom Layer w0.635: J7.2@89.3,166.37 R652.2@91.895,166.37
  other v2: 78.74,165.1 78.74,175.26 78.74,185.42 78.74,195.58 78.74,208.28 78.74,218.44 78.74,228.6 78.74,238.76
G3: J1.3 J3.3 R250.2 | length 3
  Top Layer w0.635: J3.3@87.947,253.265 87.947,250.687 R250.2@88.265,250.37
  other v2: 78.74,251.46 78.74,261.62 78.74,271.78 78.74,281.94 78.74,297.18